# Altium PCB 0.PCB1.PcbDoc (part 12 of 12) (continued)
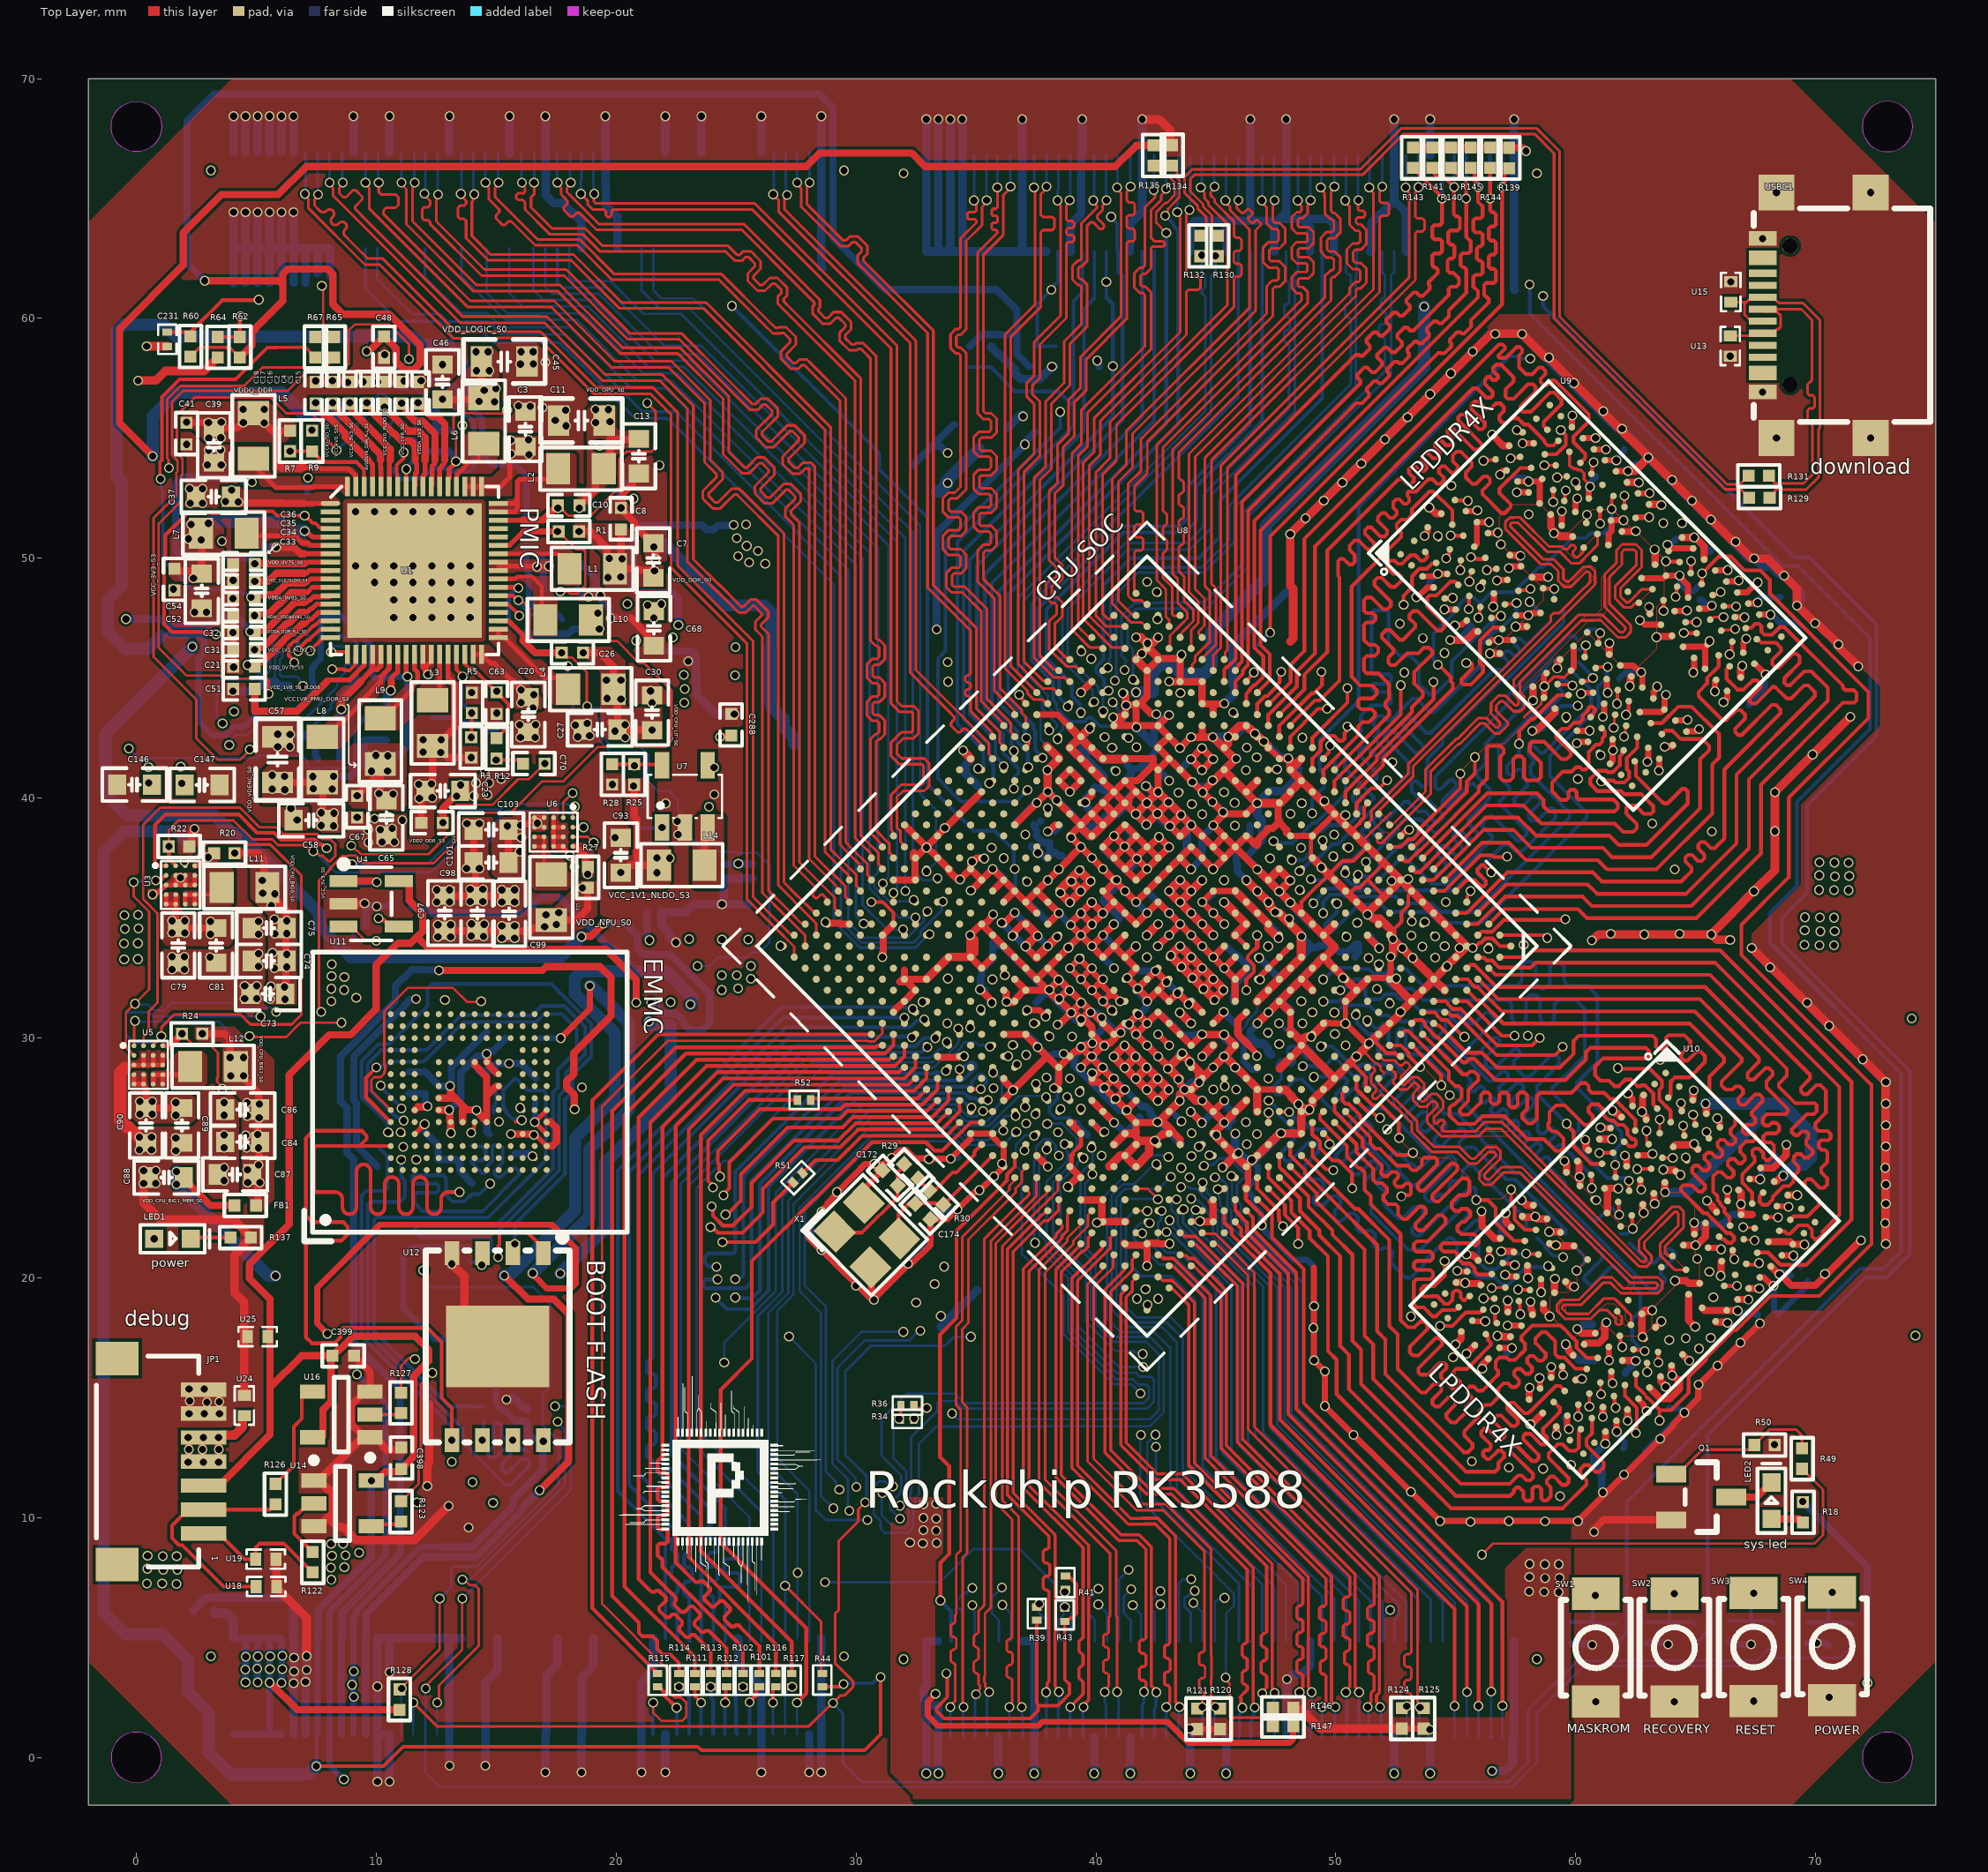
[diagram p0: Top Layer view]
## Polygon pours and split planes (outlines as drawn) (continued)
GND on Top Layer "GND_L01_P191" (solid, remove dead copper, pour order 191): 192 vertices, not listed, extent 51.055,17.46 65.165,29.632
VDD_GPU_S0 on Top Layer "VDD_GPU_S0_L01_P113" (solid, remove dead copper, pour order 113): 26 vertices, not listed, extent 18.229,51.964 21.381,56.378
NetL14_1 on Top Layer "NETL14_1_L01_P145" (solid, remove dead copper, pour order 145): 23.499,39.309 23.179,38.989 23.179,36.373 23.306,36.246 24.416,36.246 24.528,36.358 24.495,36.391 24.495,39.314
VDD_VDENC_S0 on Top Layer "VDD_VDENC_S0_L01_P119" (solid, remove dead copper, pour order 119): 5.239,41.105 5.719,41.585 8.536,41.585 8.691,41.43 8.691,38.674 8.574,38.558 7.604,38.558 7.322,38.839 7.322,39.65 7.213,39.759 5.242,39.759
GND on Top Layer "GND_L01_P175" (solid, remove dead copper, pour order 175): 8.793,39.454 11.206,39.454 11.358,39.302 11.358,37.9 11.203,37.745 9.524,37.745 9.524,37.752 8.78,38.497
VDD2_DDR_S3 on Top Layer "VDD2_DDR_S3_L01_P117" (solid, remove dead copper, pour order 117): 26 vertices, not listed, extent 11.399,38.207 14.282,46.391
GND on Top Layer "GND_L01_P172" (solid, remove dead copper, pour order 172): 13.101,40.722 13.865,40.722 14.505,41.362 15.572,41.362 15.75,41.184 15.727,41.161 15.727,40.734 14.818,39.825 13.106,39.825
VCC4V0_SYS on Top Layer "VCC4V0_SYS_L01_P125" (solid, remove dead copper, pour order 125): 1.178,36.081 1.767,36.081 1.838,36.01 1.838,35.4 1.998,35.24 3.781,35.24 4.018,35.004 4.018,34.008 3.842,33.833 1.252,33.833 1.003,34.082 1.003,35.954
NetL5_1 on Top Layer "NETL5_1_L01_P139" (solid, remove dead copper, pour order 139): 4.236,54.656 5.539,54.656 5.539,53.665 5.732,53.472 8.8,53.472 8.897,53.376 8.887,53.366 8.887,52.596 8.709,52.596 8.699,52.586 8.513,52.771 4.935,52.771 4.236,53.47
VCC_3V3_S3 on Top Layer "VCC_3V3_S3_L01_P138" (solid, remove dead copper, pour order 138): 3.187,51.689 3.644,51.232 3.644,49.19 3.446,48.992 1.584,48.992 1.584,49.05 1.33,49.304 1.338,49.312 1.338,50.833 2.194,51.689
VDD_CPU_BIG1_S0 on Top Layer "VDD_CPU_BIG1_S0_L01_P137" (solid, remove dead copper, pour order 137): 23 vertices, not listed, extent 2.43,22.771 5.737,30.491
GND on Top Layer "GND_L01_P136" (solid, remove dead copper, pour order 136): 21 vertices, not listed, extent -1.436,24.941 1.274,29.396
NetL12_1 on Top Layer "NETL12_1_L01_P135" (solid, remove dead copper, pour order 135): 0.589,28.565 0.695,28.672 0.954,28.672 1.747,29.464 2.748,29.464 2.748,29.462 2.948,29.261 2.948,28.105 2.77,27.928 0.675,27.928 0.566,28.037
VCC4V0_SYS on Top Layer "VCC4V0_SYS_L01_P134" (solid, remove dead copper, pour order 134): -0.229,28.499 -0.229,28.542 -0.163,28.608 -0.161,28.606 0.441,28.606 0.54,28.507 0.54,27.699 0.599,27.699 0.675,27.623 2.316,27.623 2.463,27.476 2.463,26.612 2.283,26.432 -0.069,26.432 -0.224,26.587
VDD_CPU_BIG0_S0 on Top Layer "VDD_CPU_BIG0_S0_L01_P132" (solid, remove dead copper, pour order 132): 2.326,37.102 2.369,37.059 3.093,37.059 3.497,37.463 3.497,37.948 3.002,37.948 2.994,37.956 2.323,37.285 2.323,37.125
GND on Top Layer "GND_L01_P129" (solid, remove dead copper, pour order 129): 18 vertices, not listed, extent 0.413,35.771 2.522,36.884
NetL11_1 on Top Layer "NETL11_1_L01_P128" (solid, remove dead copper, pour order 128): 1.935,35.547 1.993,35.489 3.924,35.489 4.061,35.626 4.061,36.973 3.835,37.199 2.963,37.199 2.636,36.871 2.636,36.198 2.577,36.139 1.918,36.139
VDD_CPU_BIG0_S0 on Top Layer "VDD_CPU_BIG0_S0_L01_P126" (solid, remove dead copper, pour order 126): 3.842,37.961 5.42,37.961 6.718,36.663 6.718,31.443 6.654,31.38 5.648,31.38 5.493,31.534 5.501,31.542 5.501,35.103 4.759,35.845 4.759,37.056 4.34,37.476 3.84,37.476
GND on Top Layer "GND_L01_P123" (solid, remove dead copper, pour order 123): 13.698,39.073 13.698,38.301 12.214,36.818 12.214,35.548 12.422,35.339 15.94,35.339 16.189,35.588 16.189,36.353 15.95,36.592 14.818,36.592 14.66,36.749 14.696,36.785 14.696,39.083
VCC4V0_SYS on Top Layer "VCC4V0_SYS_L01_P122" (solid, remove dead copper, pour order 122): 15.135,39.106 15.514,39.485 17.073,39.485 17.205,39.353 17.205,38.573 17.132,38.499 16.497,38.499 16.271,38.273 16.271,36.876 16.08,36.686 14.968,36.686 14.807,36.846 14.807,38.842
VCC_1V1_NLDO_S3 on Top Layer "VCC_1V1_NLDO_S3_L01_P121" (solid, remove dead copper, pour order 121): 17 vertices, not listed, extent 19.656,36.185 22.298,40.818
VDDQ_DDR on Top Layer "VDDQ_DDR_L01_P120" (solid, remove dead copper, pour order 120): 29 vertices, not listed, extent 1.82,52.586 9.25,56.63
VCC1V8_PMU_DDR_S3 on Top Layer "VCC1V8_PMU_DDR_S3_L01_P118" (solid, remove dead copper, pour order 118): 8.836,42.074 8.836,39.774 9.156,39.454 11.028,39.454 11.378,39.805 11.378,41.974 11.069,42.284 9.046,42.284
VDD_CPU_LIT_S0 on Top Layer "VDD_CPU_LIT_S0_L01_P116" (solid, remove dead copper, pour order 116): 17 vertices, not listed, extent 18.376,42.439 21.919,46.317
VDD_LOGIC_S0 on Top Layer "VDD_LOGIC_S0_L01_P112" (solid, remove dead copper, pour order 112): 12.331,57 12.892,57 13.939,58.047 13.939,58.832 14.828,58.832 15.133,58.527 15.133,56.172 15.138,56.167 13.268,56.167 13.179,56.256 12.328,56.256
VCC4V0_SYS on Top Layer "VCC4V0_SYS_L01_P111" (solid, remove dead copper, pour order 111): 8.485,52.398 8.483,52.398 8.036,52.845 4.457,52.845 4.457,52.85 4.327,52.98 3.571,52.98 3.571,52.134 3.576,52.129 3.583,52.136 7.401,52.136 7.454,52.19 8.491,52.19
NetL7_1 on Top Layer "NETL7_1_L01_P110" (solid, remove dead copper, pour order 110): 8.491,50.635 7.292,50.635 6.227,51.7 6.222,51.694 4.089,51.694 4.089,50.399 4.091,50.402 5.349,50.402 5.613,50.666 6.563,50.666 6.809,50.419 6.827,50.437 8.496,50.437
VCC4V0_SYS on Top Layer "VCC4V0_SYS_L01_P109" (solid, remove dead copper, pour order 109): 8.493,50.287 6.956,50.287 6.573,50.671 5.603,50.671 5.554,50.623 5.559,50.617 5.559,50.125 5.666,50.018 7.038,50.018 7.106,50.087 8.485,50.087
VCC4V0_SYS on Top Layer "VCC4V0_SYS_L01_P108" (solid, remove dead copper, pour order 108): 9.743,46.391 9.743,45.799 8.32,44.377 8.32,43.503 8.424,43.399 8.696,43.399 8.859,43.561 8.856,43.564 8.856,43.963 10.296,45.403 10.296,46.386
NetL8_1 on Top Layer "NETL8_1_L01_P107" (solid, remove dead copper, pour order 107): 10.441,46.391 10.441,45.649 7.843,43.051 7.101,43.051 7.101,42.07 7.116,42.055 8.463,42.055 9.524,43.117 9.524,43.785 9.588,43.785 10.647,44.844 10.634,44.857 10.634,46.399
NetL9_1 on Top Layer "NETL9_1_L01_P106" (solid, remove dead copper, pour order 106): 11.472,46.391 11.485,46.378 11.485,44.958 10.345,43.818 10.329,43.833 9.512,43.833 9.512,42.843 9.517,42.837 10.944,42.837 11.706,43.599 11.696,43.61 11.696,46.391
VCC4V0_SYS on Top Layer "VCC4V0_SYS_L01_P105" (solid, remove dead copper, pour order 105): 11.841,46.388 12.389,46.388 12.394,46.383 12.394,45.062 12.273,44.941 11.975,44.941 11.975,44.951 11.841,45.085
NetL3_1 on Top Layer "NETL3_1_L01_P104" (solid, remove dead copper, pour order 104): 12.537,46.391 12.539,46.388 12.539,45.426 11.696,44.582 11.699,44.58 11.699,43.582 12.994,43.582 13.002,43.574 13.004,43.577 13.004,44.61 12.737,44.877 12.737,46.391
VCC4V0_SYS on Top Layer "VCC4V0_SYS_L01_P103" (solid, remove dead copper, pour order 103): 13.936,46.396 13.944,46.388 15.089,46.388 16.916,44.562 16.916,43.762 16.862,43.709 15.816,43.709 13.936,45.588
NetL10_1 on Top Layer "NETL10_1_L01_P101" (solid, remove dead copper, pour order 101): 14.691,49.241 15.773,49.241 15.844,49.312 17.284,49.312 17.556,49.04 17.553,49.038 17.553,46.787 16.555,46.787 16.552,46.785 16.55,46.787 16.55,48.606 16.113,49.043 14.691,49.043
VCC4V0_SYS on Top Layer "VCC4V0_SYS_L01_P100" (solid, remove dead copper, pour order 100): 14.693,49.939 17.447,49.939 17.541,49.845 17.541,49.386 15.493,49.386 15.486,49.393 15.478,49.386 14.693,49.386
NetL6_1 on Top Layer "NETL6_1_L01_P097" (solid, remove dead copper, pour order 97): 13.24,53.391 13.245,53.396 13.245,54.669 13.85,55.273 13.855,55.268 15.285,55.268 15.285,53.792 14.871,53.378 14.858,53.391 13.438,53.391 13.438,53.353 13.436,53.351 13.243,53.351
NetL1_1 on Top Layer "NETL1_1_L01_P099" (solid, remove dead copper, pour order 99): 18 vertices, not listed, extent 14.688,48.862 18.574,50.945
VCC4V0_SYS on Top Layer "VCC4V0_SYS_L01_P096" (solid, remove dead copper, pour order 96): 19 vertices, not listed, extent 13.591,52.586 16.753,55.098
GND on Layer 2 (split plane): 17 vertices, not listed, extent -1.489,-1.489 -0.475,-0.476
GND on Layer 2 (split plane): 17 vertices, not listed, extent -1.489,68.476 -0.474,69.49
GND on Layer 2 (split plane): 256 vertices, not listed, extent -1.489,-1.489 74.49,69.49
GND on Layer 2 (split plane): 17 vertices, not listed, extent 73.475,-1.489 74.49,-0.473
VCC4V0_SYS on Layer 2 (split plane): 71 vertices, not listed, extent -0.695,-0.136 24.804,57.342
GND on Layer 2 (split plane): 74.49,68.473 74.481,68.502 74.402,68.693 74.369,68.754 74.355,68.781 74.24,68.953 74.177,69.03 74.03,69.177 73.953,69.24 73.781,69.355 73.693,69.402 73.502,69.481 73.474,69.49 74.49,69.49
GND on Layer 1 (split plane): 17 vertices, not listed, extent -1.489,-1.489 -0.475,-0.476
GND on Layer 1 (split plane): 17 vertices, not listed, extent -1.489,68.476 -0.474,69.49
GND on Layer 1 (split plane): 248 vertices, not listed, extent -1.489,-1.489 74.49,69.49
GND on Layer 1 (split plane): 74.49,68.473 74.481,68.502 74.402,68.693 74.369,68.754 74.355,68.781 74.24,68.953 74.177,69.03 74.03,69.177 73.953,69.24 73.781,69.355 73.693,69.402 73.502,69.481 73.474,69.49 74.49,69.49
GND on Layer 1 (split plane): 17 vertices, not listed, extent 73.475,-1.489 74.49,-0.473

## Other copper
Top Layer:
  pour cut-out: 2.745,61.611 5.984,61.611 6.159,61.435 6.159,60.686 6.118,60.686 4.396,58.964 4.396,57.778 3.634,57.016 1.92,57.016 1.008,56.104 1.008,54.293 0.687,54.293 0.662,54.268 -0.709,55.639 -0.798,55.639 -0.798,59.581 1.221,61.6 1.434,61.6
  pour cut-out: 5.204,29.708 5.234,29.708 5.844,29.099 5.844,23.269 5.323,22.749 5.328,22.744 5.328,21.352 5.511,21.352 6.438,22.279 6.438,28.519 8.071,30.153 7.518,30.706 5.257,30.706
  pour cut-out: 56.126,59.507 56.161,59.543 57.802,59.543 67.325,50.021 67.97,50.021 67.97,49.982 69.298,48.654 69.298,47.836 69.509,47.836 72.689,44.656 72.689,43.003 72.679,43.003 69.405,39.728 69.405,36.391 67.342,34.328 67.342,33.754 67.352,33.754 72.971,28.136 72.961,28.126 72.961,21.265 70.324,18.629 68.203,18.629 65.084,15.51 65.135,15.459 65.135,14.882 65.105,14.882 59.821,9.599 59.821,8.956 51.912,8.956 47.192,13.676 47.192,20.214 59.308,32.329 59.308,34.857 57.378,34.857 46.029,46.205 46.029,49.452
  pour cut-out: 50.942,65.878 52.76,67.696 58.526,67.696 59.278,66.945 59.278,60.181 51.729,60.181 51,60.91
  pour cut-out: 32.859,52.533 27.419,57.973 27.419,65.957 28.485,67.023 28.658,66.851 32.504,66.851 33.075,66.279 40.809,66.279 41.726,67.196 42.339,67.196 42.339,66.678 43.405,65.611 43.405,52.545
  pour cut-out: 19.501,42.035 19.501,41.065 19.545,41.021 21.49,41.021 21.49,42.091 21.513,42.114
  pour cut-out: 17.629,48.402 17.629,46.708 17.706,46.632 18.391,46.632 18.391,46.637 18.43,46.675 18.43,48.493
  pour cut-out: 21.719,56.038 21.719,54.641 21.5,54.422 21.579,54.344 21.579,54.029 22.257,54.029 22.252,54.034 22.252,56.244
  pour cut-out: 18.775,57.049 18.8,57.023 18.8,56.317 18.836,56.317 18.963,56.444 18.971,56.437 19.943,56.437 19.943,56.426 20.096,56.274 20.096,55.484 20.136,55.484 20.23,55.39 20.238,55.398 21.495,55.398 21.546,55.449 21.528,55.466 21.528,56.937
  pour cut-out: 1.887,52.406 1.887,52.37 0.964,51.448 1.236,51.176 1.236,51.103 1.33,51.103 2.161,51.933
  pour cut-out: 6.857,43.437 8.137,44.717 8.32,44.717 8.32,44.499 8.254,44.433 8.254,43.564 7.8,43.109 7.076,43.109 7.076,42.032 7.139,41.969 8.696,41.969 8.767,41.898 8.767,41.674 8.711,41.674 8.661,41.623 6.862,41.623
  pour cut-out: 8.249,16.579 8.181,16.51 8.181,14.814 7.739,14.372 7.739,13.376 7.02,13.376 6.779,13.135 6.779,10.193 6.565,9.98 6.613,9.932 6.613,9.274 7.076,8.812 6.979,8.715 6.979,8.184 6.951,8.184 6.177,8.959 5.122,8.959 5.122,8.456 4.935,8.268 4.922,8.281 4.48,8.281 4.48,8.309 3.319,9.469 2.001,9.469 2.001,9.751 1.732,10.021 1.732,13.163 2.953,13.163 4.01,12.106 4.231,12.106 5.653,13.528 5.653,15.573 5.717,15.573 6.89,16.747
  pour cut-out: 35.623,26.508 35.638,26.508 36.626,25.52 36.626,23.823 36.26,23.823 33.728,21.291 33.728,10.95 32.166,10.95 31.701,10.485 31.701,10.038 31.495,9.833 31.384,9.833 31.384,1.248 30.355,0.219 23.497,0.219 23.238,0.478 23.149,0.389 11.132,0.389 11.132,1.898 11.472,2.238 11.597,2.238 12.6,1.235 12.643,1.278 21.861,1.278 21.861,6.668 24.274,9.081 24.256,9.099 24.256,15.276 24.327,15.276 25.709,16.658 25.674,16.693 25.674,20.999 25.895,20.999 30.589,25.692
  pour cut-out: 63.824,29.535 70.985,22.375 70.987,22.375 60.268,11.656 53.106,18.819
  pour cut-out: 51.734,50.211 51.737,50.211 62.425,39.523 69.585,46.683 69.588,46.683 69.588,46.691 58.884,57.394
  pour cut-out: 7.363,21.895 7.365,21.893 20.426,21.893 20.426,33.599 20.418,33.607 7.363,33.607
  pour cut-out: 42.125,50.089 42.133,50.089 58.389,33.833 42.132,17.576 25.874,33.833
  pour cut-out: 60.797,49.983 60.54,49.726 60.54,49.17 60.228,49.17 60.118,49.28 59.934,49.097 59.79,49.097 59.486,49.4 59.486,49.546 59.072,49.96 59.073,49.961 59.073,50.272 59.342,50.272 59.83,49.784 60.244,49.784 60.384,49.924 60.384,50.032
  pour cut-out: 59.068,47.68 59.31,47.68 60.551,48.922 60.551,49.541 59.868,48.857 59.705,48.857 59.276,49.286 58.71,48.72 58.644,48.72 58.644,48.218
  pour cut-out: 54.798,27.141 54.83,27.141 54.892,27.203 54.866,27.229 54.035,27.229 54.035,26.567 54.493,26.109 55.155,26.109 55.214,26.051
  pour cut-out: 62.834,22.705 62.411,22.705 61.61,21.904 61.61,21.811 62.807,20.613 62.849,20.655 62.942,20.655 62.942,20.747 62.983,20.789 62.647,21.125 62.647,21.575 63.341,22.268
  pour cut-out: 58.313,22.553 58.902,23.142 58.902,23.152 57.66,24.394 57.004,24.394 56.492,23.882 56.193,23.882 55.922,24.154 55.568,24.154 55.568,23.572 55.849,23.291 55.849,23.239 57.153,23.239 57.776,22.616 57.776,22.56
Layer 4:
  pour cut-out: 40.004,41.966 41.559,40.412 41.559,39.81 41.267,39.518 41.32,39.465 41.32,39.056 42.885,37.491 43.216,37.491 43.832,36.875 44.124,36.875 44.423,36.576 44.683,36.836 45.479,36.836 46.443,37.8 46.443,39.106 46.184,39.106 45.344,39.947 43.324,41.966
  pour cut-out: 57.749,59.35 69.07,48.029 69.222,48.029 69.222,42.587 61.052,34.417 50.83,34.417 50.83,34.736 51.236,35.142 51.323,35.142 51.323,35.181 49.398,37.107 49.228,36.937 47.714,36.937 45.799,38.852 46.72,39.773 46.72,40.079 44.014,42.785 44.014,46.913 56.458,59.358 56.649,59.358
  pour cut-out: 17.269,37.978 17.236,37.978 16.624,37.366 16.624,34.885 18.226,34.885 19.466,36.124 19.466,37.862
  pour cut-out: 9.75,0.097 9.664,0.097 7.292,-2.275 2.433,-2.275 2.433,-0.574 1.62,0.239 1.691,0.31 9.451,0.31
  pour cut-out: 74.868,6.523 68.757,0.412 68.757,-2.212 74.678,-2.212 75.259,-1.63 75.259,6.548
  pour cut-out: 35.597,32.164 35.597,32.088 37.403,30.282 37.403,30.11 36.969,29.675 33.545,29.675 33.545,31.08 32.753,31.872 33.075,32.195 33.53,32.195 33.756,31.969 33.779,31.992 35.163,31.992 35.47,32.299
  pour cut-out: 11.96,21.065 12.138,21.065 13.756,19.447 13.794,19.485 16.563,19.485 16.563,20.689 15.859,21.392 15.806,21.339 11.968,21.339
  pour cut-out: 24.543,37.13 25.643,37.13 27.365,35.408 27.228,35.271 27.228,35.212 23.863,35.212 23.54,34.89 23.54,31.575 23.39,31.425 21.884,32.931 21.884,35.164 21.823,35.225 23.819,37.222 24.018,37.222
  pour cut-out: 12.389,33.587 16.192,33.587 16.192,33.853 16.933,34.595 17.802,34.595 17.802,32.563 18.727,31.639 18.727,27.163 17.035,25.471 12.89,25.471 10.87,27.491 10.921,27.542 10.921,32.304
  pour cut-out: 20.868,46.569 20.868,42.368 20.355,41.854 19.669,41.854 19.669,41.669 19.143,41.143 19.143,40.188 19.179,40.188 21.053,38.314 21.053,37.323 22.836,37.323 23.09,37.577 22.836,37.831 22.836,46.493 21.714,46.493 21.18,47.026
  pour cut-out: 19.473,51.623 21.503,49.594 22.367,49.594 22.367,51.715 22.252,51.829 22.252,54.44 21.833,54.44 20.078,56.195 19.473,56.195
  pour cut-out: 5.171,60.77 4.541,60.14 6.441,60.14 7.18,60.879 7.091,60.968 7.091,61.842 7.104,61.842 7.779,62.517 12.262,62.517 12.262,61.872 12.915,61.219 23.451,61.219 23.451,60.851 25.671,58.631 25.887,58.847 25.887,62.167 33.334,62.167 38.419,57.082 38.419,54.882 39.613,54.882 39.74,54.755 44.861,59.876 52.811,59.876 53.87,60.935 53.636,61.169 39.981,61.169 39.225,61.926 39.255,61.956 39.255,62.84 13.184,62.84 12.9,63.124 7.241,63.124 6.103,61.987 6.116,61.974 6.116,61.285 5.567,60.737 5.531,60.772 5.001,60.772
  pour cut-out: -1.398,3.366 -1.398,53.792 -1.388,53.803 -1.41,53.825 -2.322,53.825 -2.322,3.391 -2.271,3.34
  pour cut-out: 9.694,16.495 11.335,14.854 11.335,12.261 16.563,12.261 16.715,12.413 16.715,15.35 14.965,17.1 9.667,17.1
  pour cut-out: 39.288,23.836 39.349,23.775 39.349,19.472 46.557,12.263 46.603,12.309 51.897,12.309 51.897,16.31 43.957,24.25 43.957,25.878 43.39,26.444 41.716,26.444 41.716,26.409 41.246,25.939 40.964,26.221 40.51,26.221 39.288,24.999
  pour cut-out: 52.234,34.27 47.251,29.287 47.251,27.422 46.215,26.386 44.393,26.386 44.393,26.33 44.084,26.02 44.084,23.805 49.09,18.799 49.011,18.72 49.011,15.118 54.34,9.79 54.398,9.848 59.458,9.848 68.963,19.353 68.963,26.76 61.729,33.994
  pour cut-out: 44.231,38.311 44.231,37.752 44.355,37.628 46.367,37.628 46.367,37.448 47.655,36.16 48.089,36.594 48.127,36.594 48.127,36.617 48.447,36.937 48.247,37.138 48.247,37.613 48.879,38.245 48.879,38.606 48.412,38.606 48.211,38.806 48.181,38.776 46.86,38.776 46.86,38.697 46.481,38.319
  pour cut-out: 40.644,49.965 42.359,49.965 45.529,46.795 45.61,46.795 45.61,44.643 46.309,43.945 46.309,43.297 46.049,43.038 43.995,43.038 42.951,41.994 40.637,41.994 40.637,42.601 38.882,44.356 33.954,44.356 33.954,45.748 36.268,48.062 38.798,48.062
  pour cut-out: 17.256,50.836 17.853,50.836 17.853,51.382 17.279,51.382 17.259,51.362
Bottom Layer:
  pour cut-out: 42.133,50.092 58.389,33.836 58.389,33.826 42.135,17.572 28.973,30.734 28.973,36.904
  pour cut-out: 20.965,45.951 21.03,45.886 21.03,45.253 19.245,45.253 19.057,45.065 19.057,44.175 18.732,44.175 18.514,43.957 18.157,44.314 18.157,45.469 18.371,45.683 19.003,45.683 19.003,45.938
  pour cut-out: 2.593,46.348 2.829,46.584 3.212,46.2 4.279,46.2 4.756,45.723 5.528,45.723 5.528,44.354 3.793,42.619 3.172,42.619 2.593,43.198
  pour cut-out: 65.239,13.633 62.332,10.725 62.332,5.099 62.271,5.037 62.347,4.961 65.226,4.961 65.226,5.232 65.585,5.591 65.552,5.624 65.552,13.805
  pour cut-out: 71.373,36.15 70.769,35.545 70.769,33.859 70.636,33.726 69.127,33.726 68.6,34.254 68.6,34.999 68.97,34.999 70.141,36.17
  pour cut-out: 3.438,69.355 28.475,69.355 29.042,68.788 29.128,68.874 29.128,70.722 3.738,70.722 3.377,70.361
  pour cut-out: 23.977,10.701 27.782,14.506 40.012,14.506 46.481,8.037 46.431,7.986 46.431,4.843 36.945,4.843 33.679,1.577 33.679,-0.155 27.925,-0.155 23.992,3.778 23.992,8.4
  pour cut-out: 56.9,67.93 57.733,67.93 57.914,67.75 57.914,62.144 57.558,61.788 57.502,61.844 56.867,61.844
  pour cut-out: 51.952,57.58 44.492,50.12 44.492,47.102 45,47.102 47.078,49.18 46.803,49.455 46.803,51.639 47.353,51.639 53.682,57.968 53.682,61.926 53.507,62.101 53.324,61.918 52.431,61.918
  pour cut-out: 28.384,62.009 28.242,61.867 21.495,61.867 21.495,61.021 31.61,50.907 36.331,50.907 41.084,55.659 41.084,61.405 39.407,61.405 34.734,66.078 34.734,67.745 28.394,67.745 28.297,67.841
  pour cut-out: 2.115,68.24 2.115,62.301 2.849,61.567 3.2,61.918 4.132,61.918 4.132,68.869 3.646,69.355 3.23,69.355
  pour cut-out: -1.352,37.747 -1.192,37.587 -1.192,35.654 -0.775,35.654 -0.697,35.733 -0.674,35.71 3.616,35.71 5.112,37.206 3.202,39.116 -0.272,39.116
  pour cut-out: -1.134,6.734 -1.134,5.819 -0.458,5.144 1.262,5.144 1.262,4.803 2.166,3.899 2.143,3.876 2.143,2.553 2.237,2.553 3.037,1.753 3.037,0.107 3.184,0.107 3.959,-0.668 4.015,-0.612 7.251,-0.612 7.251,-0.437 7.929,0.242 7.929,6.546 -0.933,6.546 -1.009,6.47
  pour cut-out: 14.444,21.341 14.338,21.235 11.627,21.235 11.627,21.199 11.099,20.671 11.206,20.564 11.206,7.443 9.758,5.995 9.758,5.466 21.65,5.466 22.219,6.035 22.184,6.071 22.184,9.543 20.683,11.044 21.069,11.43 21.069,25.456 20.119,25.456 18.023,23.361 18.023,21.504
  pour cut-out: 43.088,14.387 42.897,14.196 32.471,14.196 31.963,13.688 31.963,11.054 31.391,11.054 31.264,10.927 31.03,11.161 28.219,11.161 28.219,18.766 27.637,19.348 27.731,19.442 27.731,23.071 27.924,23.071 30.756,25.903 36.014,25.903 43.713,18.205
  pour cut-out: 12.971,32.19 17.355,32.19 18.229,31.316 18.071,31.159 18.071,24.344 17.121,24.344 15.206,22.429 14.983,22.652 10.959,22.652 10.959,30.115 11.8,30.955
  pour cut-out: 58.17,59.045 58.287,59.045 72.321,45.012 72.321,42.51 69.527,39.716 69.527,36.277 67.893,34.643 67.893,33.193 72.928,28.159 72.928,20.795 70.959,20.795 59.953,9.79 59.89,9.853 54.284,9.853 49.087,15.05 49.087,20.252 48.663,20.252 46.413,22.502 46.413,25.659 45.094,26.978 45.191,27.074 45.191,43.881 45.765,44.455 45.765,46.487 45.91,46.487 48.229,48.806 48.165,48.87 48.165,51.047 48.295,51.047 56.657,59.408 57.744,59.408
  pour cut-out: 32.806,61.788 57.558,61.788 57.608,61.838 57.608,67.79 32.829,67.79 32.816,67.803
  pour cut-out: 3.926,61.918 28.678,61.918 28.678,67.915 28.648,67.884 4.012,67.884
  pour cut-out: 32.816,5.842 57.558,5.842 57.561,5.84 57.561,-0.155 32.885,-0.155 32.796,-0.066
  pour cut-out: 3.926,5.967 3.929,5.964 3.929,-0.033 28.737,-0.033 28.676,0.028 28.676,5.964
Layer 2 (plane layer: these items are gaps in the copper):
  lines w0.127: -0.76,8.603 -0.76,13.094 -0.76,53.389 3.258,57.407 16.761,57.407 18.506,55.662 18.506,46.134 20.511,44.129 22.51,44.129 24.868,41.771 24.868,40.978 22.191,38.301 11.503,38.301 7.099,33.897 7.099,8.591 10.444,8.591 10.652,8.382 10.652,0.216 10.235,-0.2 -0.303,-0.2 -0.758,0.254 ; -0.75,0.27 -0.75,8.624
Multi-Layer:
  pour cut-out: 74.972,-2.004 74.988,-1.988 74.988,3.983 69.009,-1.996
  pour cut-out: -2.004,-1.972 -1.988,-1.987 3.983,-1.987 -1.996,3.992
  pour cut-out: 74.972,69.967 74.957,69.982 68.986,69.982 74.965,64.003
  pour cut-out: -1.992,70.003 -2.007,69.988 -2.007,64.016 3.972,69.995

## Silkscreen, mask and mechanical layers (free items; w line width, h text height)
Top Overlay:
  drawing of 98 lines, arcs and shapes, not listed
  text "VDD_LOGIC_S0" at 12.76,59.418 h0.25
  text "VDD_GPU_S0" at 18.743,56.938 h0.18
  text "VDDQ_DDR" at 4.079,56.905 h0.2
  text "VCC_1V8_S0" at 11.169,54.294 h0.15 r90
  text "VDDA_1V2_S0" at 11.868,54.299 h0.15 r90
  text "VCC_2V0_PLDO_S3" at 10.443,54.273 h0.15 r90
  text "VCC4V0_SYS" at 8.416,54.222 h0.15 r90
  text "VCCIO_SD_S0" at 8.026,54.201 h0.15 r90
  text "VCCA_3V3_S0" at 9.046,54.192 h0.15 r90
  text "AVDD1V8_DDR_PLL_S0" at 9.658,53.671 h0.13 r90
  text "download" at 69.791,53.521 h0.64
  text "LPDDR4X" at 53.141,52.766 h0.76 r45
  text "PMIC" at 16.01,52.13 h0.76 r270
  text "VDD_0V75_S0" at 5.511,49.749 h0.15
  text "VDD_DDR_S0" at 22.361,49.011 h0.18
  text "VCC_1V1_NLDO_S3" at 5.501,49.005 h0.13
  text "VCC_3V3_S3" at 0.821,48.418 h0.2 r90
  text "VDDA_0V85_S0" at 5.488,48.278 h0.15
  text "CPU SOC" at 37.916,48.079 h0.76 r45
  text "HDMI_VDDA0V85_S0" at 5.455,47.486 h0.13
  text "VDDA_DDR_PLL_S0" at 5.493,46.879 h0.13
  text "VCC_1V1_NLDO_S3" at 5.478,46.096 h0.15
  text "VDD_0V75_S3" at 5.529,45.365 h0.15
  text "VCC_1V8_S3_PLDO6" at 5.557,44.534 h0.15
  text "VCC1V8_PMU_DDR_S3" at 6.177,44.041 h0.18
  text "VDD_CPU_LIT_S0" at 22.42,43.907 h0.15 r270
  text "VDD_VDENC_S0" at 4.808,39.38 h0.18 r90
  text "VDD2_DDR_S3" at 11.366,38.136 h0.15
  text "VDD_CPU_BIG0_S0" at 6.442,37.62 h0.15 r270
  text "VCC_1V1_NLDO_S3" at 19.682,35.819 h0.25
  text "VCC_3V3_S0" at 7.868,35.794 h0.15 r90
  text "VDD_NPU_S0" at 18.33,34.686 h0.25
  text "EMMC" at 21.178,33.345 h0.76 r270
  text "VDD_CPU_BIG1_S0" at 5.13,30.084 h0.15 r270
  text "VDD_CPU_BIG1_MEM_S0" at 0.246,23.13 h0.15
  text "BOOT FLASH" at 18.787,20.756 h0.76 r270
  text "power" at 0.611,20.442 h0.38
  text "debug" at -0.493,18.004 h0.64
  text "LPDDR4X" at 53.798,15.977 h0.76 r315
  text "Rockchip RK3588" at 30.395,10.399 h1.52
  text "sys led" at 67.007,8.705 h0.38
  text "MASKROM" at 59.631,1.014 h0.38
  text "RECOVERY" at 62.819,0.999 h0.38
  text "RESET" at 66.664,0.96 h0.38
  text "POWER" at 69.946,0.94 h0.38
Bottom Overlay:
  lines w0.051: 3.929,-0.352 13.051,-0.352 ; 3.941,6.231 13.664,6.231 ; 6.873,68.197 12.712,68.197 ; 9.415,61.235 18.176,61.235 ; 13.446,68.197 19.184,68.197 ; 20.926,61.235 21.62,61.235 ; 21.386,-0.482 21.719,-0.482 ; 21.813,6.231 24.686,6.231 ; 22.377,-0.482 27.19,-0.482 ; 25.45,6.231 28.165,6.231 ; 26.359,68.197 28.178,68.197 ; 27.406,-0.482 27.701,-0.482 ; 32.803,6.231 57.017,6.231 ; 33.791,-0.482 37.083,-0.482 ; 34.688,68.197 36.613,68.197 ; 37.19,68.197 41.584,68.197 ; 37.764,-0.482 41.107,-0.482 ; 38.219,61.235 41.122,61.235 ; 40.693,25.761 40.827,25.896 40.827,25.901 ; 40.832,25.129 40.832,25.891 ; 40.832,25.896 40.832,25.893 40.975,25.751 ; 41.731,-0.482 47.579,-0.482 ; 41.79,61.235 45.097,61.235 ; 42.189,68.197 47.591,68.197 ; 45.425,31.486 45.43,31.486 ; 45.427,31.489 45.712,31.489 47.408,29.792 48.612,29.792 48.887,29.518 ; 45.43,31.476 45.43,31.486 ; 45.516,40.811 45.585,40.879 ; 45.524,40.808 45.524,40.811 ; 45.577,31.634 45.43,31.486 ; 45.582,31.334 45.43,31.486 ; 45.595,40.739 45.529,40.805 45.74,40.805 ; 45.75,61.235 49.56,61.235 ; 47.043,36.411 47.043,36.559 ; 47.17,36.414 47.045,36.414 48.003,37.371 48.01,37.371 ; 47.916,34.285 47.863,34.232 47.861,34.232 47.861,34.224 ; 47.924,34.161 47.861,34.224 ; 48.211,68.197 53.588,68.197 ; 48.254,34.224 47.861,34.224 ; 48.259,34.229 49.539,35.51 49.539,35.629 ; 48.302,-0.482 53.568,-0.482 ; 50.289,61.235 51.066,61.235 ; 51.701,61.235 52.725,61.235 ; 54.277,68.197 57.063,68.197 ; 54.279,-0.482 57.027,-0.482
  text "MIPI_DPHY0_RX" at 11.117,68.394 h0.25
  text "MIPI_DPHY0_TX" at 17.802,68.394 h0.25
  text "HDMI_TX1" at 45.534,68.394 h0.25
  text "HDMI_TX0" at 51.747,68.394 h0.25
  text "TYPEC0" at 27.913,68.352 h0.25
  text "TYPEC0" at 36.387,68.352 h0.25
  text "TYPEC1" at 40.025,68.352 h0.25
  text "SDMMC" at 56.22,68.352 h0.25
  text "GPIO" at 14.297,60.788 h0.25
  text "GPIO" at 21.673,60.788 h0.25
  text "SARADC" at 40.308,60.788 h0.25
  text "TYPEC0" at 44.105,60.788 h0.25
  text "TYPEC1" at 48.494,60.788 h0.25
  text "USB20_HOST1" at 51.272,60.784 h0.13
  text "USB20_HOST0" at 52.867,60.784 h0.13
  text "VCCIO_FLASH" at 12.428,32.522 h0.18
  text "VCC3V3_FLASH" at 16.446,30.949 h0.18
  text "POWER" at 8.993,6.472 h0.25
  text "GMAC0" at 23.847,6.472 h0.25
  text "GPIO" at 27.261,6.472 h0.25
  text "GPIO" at 45.498,6.472 h0.25
  text "PCIE20_PORT0" at 36.774,-1.037 h0.25
  text "PCIE20_PORT1" at 40.886,-1.037 h0.25
  text "PCIE30_PORT0" at 46.014,-1.037 h0.25
  text "PCIE30_PORT1" at 52.112,-1.037 h0.25
  text "POWER" at 9.006,-1.079 h0.25
  text "GMAC0" at 25.275,-1.079 h0.25
  text "GPIO" at 56.149,-1.079 h0.25
  text "GPIO" at 21.865,-1.105 h0.18
  text "GPIO" at 27.797,-1.105 h0.18
Mechanical 1:
  circle w0.254: c73,0 r1.05
  circle w0.254: c0,68 r1.05
  circle w0.254: c73,68 r1.05
  circle w0.254: c0,0 r1.05
  lines w0.254: -2,-2 75,-2 75,70 -2,70 -2,-2

## Text inside footprints (layer, text, board x,y; h text height)
JP1: Top Overlay "1" at 3.155,8.396 h0.25 r270
U1: Mechanical 18 "4" at 8.192,51.239 h0.18; Mechanical 18 "2" at 8.192,51.939 h0.18; Mechanical 18 "3" at 8.192,51.589 h0.18; Mechanical 18 "69" at 11.794,49.489 h0.18; Mechanical 18 "49" at 15.294,51.589 h0.18; Mechanical 18 "40" at 15.294,48.439 h0.18; Mechanical 18 "61" at 11.444,52.989 h0.18; Mechanical 18 "37" at 15.294,47.389 h0.18; Mechanical 18 "67" at 9.344,52.989 h0.18; Mechanical 18 "39" at 15.294,48.089 h0.18; Mechanical 18 "32" at 13.894,45.988 h0.18; Mechanical 18 "31" at 13.544,45.988 h0.18; Mechanical 18 "45" at 15.294,50.189 h0.18; Mechanical 18 "19" at 9.344,45.988 h0.18; Mechanical 18 "29" at 12.844,45.988 h0.18; Mechanical 18 "50" at 15.294,51.939 h0.18; Mechanical 18 "51" at 15.294,52.289 h0.18; Mechanical 18 "46" at 15.294,50.539 h0.18; Mechanical 18 "68" at 8.994,52.989 h0.18; Mechanical 18 "63" at 10.744,52.989 h0.18; Mechanical 18 "6" at 8.192,50.539 h0.18; Mechanical 18 "13" at 8.293,48.089 h0.18; Mechanical 18 "9" at 8.192,49.489 h0.18; Mechanical 18 "26" at 11.794,45.988 h0.18; Mechanical 18 "42" at 15.294,49.139 h0.18; Mechanical 18 "30" at 13.194,45.988 h0.18; Mechanical 18 "23" at 10.744,45.988 h0.18; Mechanical 18 "55" at 13.544,52.989 h0.18; Mechanical 18 "35" at 15.294,46.689 h0.18; Mechanical 18 "36" at 15.294,47.039 h0.18; Mechanical 18 "5" at 8.192,50.889 h0.18; Mechanical 18 "25" at 11.444,45.988 h0.18; Mechanical 18 "41" at 15.294,48.789 h0.18; Mechanical 18 "66" at 9.694,52.989 h0.18; Mechanical 18 "59" at 12.144,52.989 h0.18; Mechanical 18 "20" at 9.694,45.988 h0.18; Mechanical 18 "60" at 11.794,52.989 h0.18; Mechanical 18 "58" at 12.494,52.989 h0.18; Mechanical 18 "65" at 10.044,52.989 h0.18; Mechanical 18 "14" at 8.293,47.739 h0.18; Mechanical 18 "12" at 8.293,48.439 h0.18; Mechanical 18 "10" at 8.293,49.139 h0.18; Mechanical 18 "8" at 8.192,49.839 h0.18; Mechanical 18 "11" at 8.293,48.789 h0.18; Mechanical 18 "16" at 8.293,47.039 h0.18; Mechanical 18 "18" at 8.994,45.988 h0.18; Mechanical 18 "62" at 11.094,52.989 h0.18; Mechanical 18 "15" at 8.293,47.389 h0.18; Mechanical 18 "17" at 8.293,46.689 h0.18; Mechanical 18 "47" at 15.294,50.889 h0.18; Mechanical 18 "22" at 10.394,45.988 h0.18; Mechanical 18 "21" at 10.044,45.988 h0.18; Mechanical 18 "27" at 12.144,45.988 h0.18; Mechanical 18 "28" at 12.494,45.988 h0.18; Mechanical 18 "34" at 14.594,45.988 h0.18; Mechanical 18 "33" at 14.244,45.988 h0.18; Mechanical 18 "44" at 15.294,49.839 h0.18; Mechanical 18 "43" at 15.294,49.489 h0.18; Mechanical 18 "7" at 8.192,50.189 h0.18; Mechanical 18 "1" at 8.192,52.289 h0.18; Mechanical 18 "64" at 10.394,52.989 h0.18; Mechanical 18 "52" at 14.594,52.989 h0.18; Mechanical 18 "53" at 14.244,52.989 h0.18; Mechanical 18 "54" at 13.894,52.989 h0.18; Mechanical 18 "57" at 12.844,52.989 h0.18; Mechanical 18 "38" at 15.294,47.739 h0.18; Mechanical 18 "48" at 15.294,51.239 h0.18; Mechanical 18 "24" at 11.094,45.988 h0.18; Mechanical 18 "56" at 13.194,52.989 h0.18; Top Assembly "RK806-1" at 12.302,49.616 h0.18 r180